# Altium PCB ADC130MSPS-V1-01.PcbDoc (part 1 of 7) (continued)
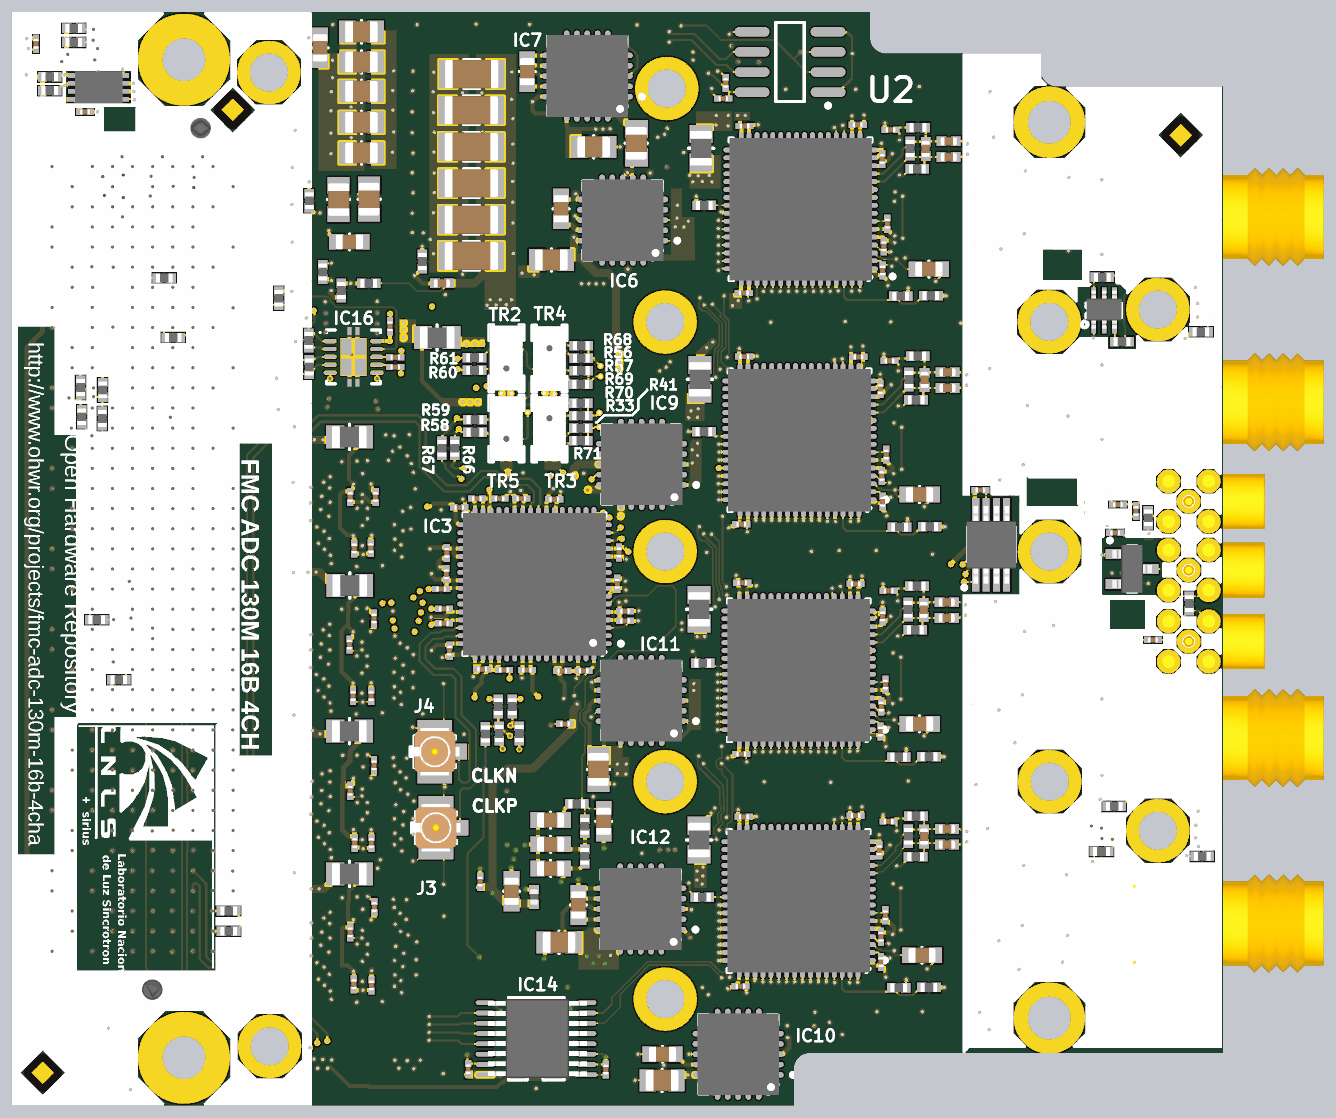
[diagram p15: 3D render of the assembled board from below, using the file's embedded part models]

## Layer stack, top to bottom
Top Layer: signal copper 1.378
Dielectric: core 3.937, FR-4, Dk 4.8
GND1: plane copper 1.378, net GND
Dielectric: prepreg 4.3307, FR-4, Dk 4.8
L3: signal copper 1.378
Dielectric: core 11.811, FR-4, Dk 4.8
GND2: plane copper (thickness not stored), net GND
Dielectric: prepreg 3.937, FR-4, Dk 4.8
L5: signal copper 1.378
Dielectric: core 11.811, FR-4, Dk 4.8
GND3: plane copper 1.378, net GND
Dielectric: prepreg 4.3307, FR-4, Dk 4.8
POWER: plane copper 0.689, net (Multiple Nets)
Dielectric: core 3.937, FR-4, Dk 4.8
Bottom Layer: signal copper 1.378

## Board outline
-1711.5,-1164.97 -1711.5,1236.6 -1298.11,1236.6 ccw(c-1298.11,1275.97) -1258.74,1275.97 -1258.74,1319.28 -872.91,1319.28 ccw(c-872.91,1358.65) -833.54,1358.65 -833.54,1421.64 1300.32,1421.64 1300.32,-1294.9 -644.57,-1294.9 -644.57,-1204.35 ccw(c-683.94,-1204.35) -683.94,-1164.98 -683.94,-1164.97

## Design rules (kind name [scope] priority, off if disabled: settings)
Clearance Clearance_1 [InNet('EXT_CLK_IN') vs InNetClass('Power')] p1 off: gap=10
Clearance Clearance_trou [InNetClass('ADC_data') vs InNetClass('ADC_data')] p2 off: gap=4
Clearance [All] p3: gap=3
ComponentClearance NO_DRC [InComponentClass('NO_DRC')] p1 off: gap=0 collisioncheckmode=3 verticalgap=100000 showdistances=FALSE
ComponentClearance [All] p2 off: gap=1 collisioncheckmode=3 verticalgap=100000 showdistances=FALSE
DiffPairsRouting [All] p1: maxlimit=12 minlimit=8 mostfreqgap=10 maxuncoupledlength=600
FabricationTestPointUsage TestPointUsage [All] p1: valid=0 allowmultiple=FALSE
FabricationTestpoint Testpoint [All] p1: side=3 testpointundercomponent=TRUE minsize=40 maxsize=100 preferedsize=60 minholesize=0 maxholesize=40 preferedholesize=32 testpointgrid=1 allowsidetop=TRUE allowsidebottom=TRUE usegrid=TRUE gridtolerance=0.01
Height Height_Top [OnTop] p1 off: minheight=0 maxheight=370 prefheight=350
Height Height_Bot [OnBottom] p2 off: minheight=0 maxheight=58 prefheight=52
HoleSize [All] p1: absolutevalues=TRUE maxlimit=1000 minlimit=1 maxpercent=80.000 minpercent=20.000
HoleToHoleClearance [All] p1: gap=5 allowstackedmicrovias=TRUE
MinimumSolderMaskSliver [All] p1 off: minsoldermaskwidth=1
PlaneClearance [All] p1: clearance=8
PlaneConnect Vias_Plane [IsVia] p1: planeconnectstyle=Direct reliefexpansion=20 reliefentries=4 reliefconductorwidth=10 reliefairgap=10
PlaneConnect [All] p2: planeconnectstyle=Direct reliefexpansion=20 reliefentries=4 reliefconductorwidth=30 reliefairgap=10
PolygonConnect Direc [InPadClass(Direc)] p1: connectstyle=Direct reliefconductorwidth=10 reliefentries=4 polygonreliefangle="90 Angle" airgapwidth=10
PolygonConnect Vias [IsVia] p2: connectstyle=Direct reliefconductorwidth=10 reliefentries=4 polygonreliefangle="90 Angle" airgapwidth=10
PolygonConnect [All] p3: connectstyle=Direct reliefconductorwidth=16 reliefentries=4 polygonreliefangle="90 Angle" airgapwidth=10
RoomDefinition U_ADC2 [InComponentClass('U_ADC2')] p1 off: confinementstyle=ConfineIn formatcopy=TRUE lockcomponents=FALSE outline -1313.28,94 -283.28,94 -283.28,641 -1313.28,641
RoomDefinition U_ADC1 [InComponentClass('U_ADC1')] p2 off: confinementstyle=ConfineIn formatcopy=TRUE lockcomponents=FALSE outline -1316,668 -286,668 -286,1215 -1316,1215
RoomDefinition U_BUFFER4 [InComponentClass('U_BUFFER4')] p3 off: confinementstyle=ConfineIn formatcopy=TRUE lockcomponents=FALSE outline 311,-1065 573,-1065 573,-666 311,-666
RoomDefinition U_BUFFER3 [InComponentClass('U_BUFFER3')] p4 off: confinementstyle=ConfineIn formatcopy=TRUE lockcomponents=FALSE outline 311,-713 573,-713 573,-314 311,-314
RoomDefinition U_BUFFER2 [InComponentClass('U_BUFFER2')] p5 off: confinementstyle=ConfineIn formatcopy=TRUE lockcomponents=FALSE outline 311,-349 573,-349 573,50 311,50
RoomDefinition U_BUFFER1 [InComponentClass('U_BUFFER1')] p6 off: confinementstyle=ConfineIn formatcopy=TRUE lockcomponents=FALSE outline 311,18 573,18 573,417 311,417
RoomDefinition U_ADC4 [InComponentClass('U_ADC4')] p7 off: confinementstyle=ConfineIn formatcopy=TRUE lockcomponents=FALSE outline -1311.09,-1051 -281.09,-1051 -281.09,-504 -1311.09,-504
RoomDefinition U_ADC3 [InComponentClass('U_ADC3')] p8 off: confinementstyle=ConfineIn formatcopy=TRUE lockcomponents=FALSE outline -1311.2,-477.57 -281.2,-477.57 -281.2,69.43 -1311.2,69.43
RoomDefinition "Trigger and leds" [InComponentClass('Trigger and leds')] p9 off: confinementstyle=ConfineIn formatcopy=TRUE lockcomponents=FALSE outline -952,1095 -278,1095 -278,1411 -952,1411
RoomDefinition PS [InComponentClass('PS')] p10 off: confinementstyle=ConfineIn formatcopy=TRUE lockcomponents=FALSE outline -564,-1306 164,-1306 164,1429 -564,1429
RoomDefinition J1 [InComponentClass('J1')] p11 off: confinementstyle=ConfineIn formatcopy=TRUE lockcomponents=FALSE outline 1344.21,1166.81 641,1166.81 641,-1037 1344.21,-1037
RoomDefinition FMC_130MSPS_4CH [InComponentClass('FMC_130MSPS_4CH')] p12 off: confinementstyle=ConfineIn formatcopy=TRUE lockcomponents=FALSE outline 475,868 1275,868 1275,1399 475,1399
RoomDefinition EEPROM [InComponentClass('EEPROM')] p13 off: confinementstyle=ConfineIn formatcopy=TRUE lockcomponents=FALSE outline 803,1411 1347,1411 1347,-1235 803,-1235
RoomDefinition ClK [InComponentClass('ClK')] p14 off: confinementstyle=ConfineIn formatcopy=TRUE lockcomponents=FALSE outline -379.99,-1266.46 302,-1266.46 302,730 -379.99,730
RoutingVias [All] p1: holewidth=7.87 width=15.75 viastyle="Through Hole" minholewidth=7.87 minwidth=15.75 maxholewidth=118.11 maxwidth=196.85
ShortCircuit SMA_1 [InPadClass('SMA')] p2: allowed=TRUE
SilkToSilkClearance [All] p1 off: silktosilkclearance=2
SilkscreenOverComponentPads [All] p1 off: minsilkscreentomaskgap=2
SolderMaskExpansion [All] p1: expansion=4
ViasUnderSMD ViasUnderSMD_allow [InComponent('IC1A')   or InComponent('IC1B') or        InComponent('IC1C')   or InComponent('IC1D') or InComponent('IC6')   or InComponent('IC7') or InComponent('IC9')   or InComponent('IC10') or InComponent('IC11')   or InComponent('IC12') or InComponent('IC15A')     or InComponent('IC15B') or InComponent('IC15C') or InComponent('IC15D')  or InComponent('IC16')  or InComponent('IC3')] p1: allowed=TRUE
ViasUnderSMD [All] p2: allowed=FALSE
Width Width_1 [InNetClass('Buff_data')] p1 off: maxlimit=6.39 minlimit=3.74 preferedwidth=5.3 toplayer_minwidth=4.37 midlayer1_maxwidth=6.14 midlayer1_prefwidth=4.83 midlayer2_minwidth=3.86 midlayer2_maxwidth=6.32 midlayer2_prefwidth=4.98 bottomlayer_minwidth=4.37 minimp=45.000000 maximp=55.000000 favimp=50.000000
Width Width_3 [(InNet('RF1') OR InNet('RF2') OR InNet('RF3') OR InNet('RF4') OR InNet('RF5') OR InNet('RF6') OR InNet('RF7') OR InNet('EXT_CLK_IN'))] p2 off: maxlimit=5.72 minlimit=4.15 preferedwidth=5.3 toplayer_minwidth=4.73 midlayer1_maxwidth=5.33 midlayer1_prefwidth=4.83 midlayer2_minwidth=4.29 midlayer2_maxwidth=5.49 midlayer2_prefwidth=4.98 bottomlayer_minwidth=4.73 minimp=48.000000 maximp=53.000000 favimp=50.000000
Width Width_Pair_Diff [(InDifferentialPairClass('All Differential Pairs'))] p3 off: maxlimit=5.72 minlimit=3.74 preferedwidth=5.3 toplayer_minwidth=4.37 midlayer1_maxwidth=5.33 midlayer1_prefwidth=4.83 midlayer2_minwidth=3.86 midlayer2_maxwidth=5.49 midlayer2_prefwidth=4.98 bottomlayer_minwidth=4.37 minimp=48.000000 maximp=55.000000 favimp=50.000000
Width [All] p4: maxlimit=100 minlimit=3.5 preferedwidth=10 toplayer_maxwidth=20 midlayer2_maxwidth=20 minimp=45.000000 maximp=110.000000 favimp=100.000000 checkconnectedcopper=TRUE
16 further rules are at their usual default settings.

## Classes and differential pairs
net class Power: GND P3V3_ADC1 P3V3_ADC2 P3V3_ADC3 P3V3_ADC4 P3V3_CLK
channel class ADC: U_ADC1 U_ADC2 U_ADC3 U_ADC4
component class U_ADC4: C1D C2D C3D C4D C5D C6D C7D C8D C9D C11D C12D C13D C14D C15D C16D C17D C18D C19D C20D C25D C26D IC1D L1D L2D L4D R1D R2D R3D R6D R8D R9D R10D R11D R13D R14D R15D R16D R17D R18D TR1D
component class U_ADC3: C1C C2C C3C C4C C5C C6C C7C C8C C9C C11C C12C C13C C14C C15C C16C C17C C18C C19C C20C C25C C26C IC1C L1C L2C L4C R1C R2C R3C R6C R8C R9C R10C R11C R13C R14C R15C R16C R17C R18C TR1C
component class U_ADC2: C1B C2B C3B C4B C5B C6B C7B C8B C9B C11B C12B C13B C14B C15B C16B C17B C18B C19B C20B C25B C26B IC1B L1B L2B L4B R1B R2B R3B R6B R8B R9B R10B R11B R13B R14B R15B R16B R17B R18B TR1B
component class U_ADC1: C1A C2A C3A C4A C5A C6A C7A C8A C9A C11A C12A C13A C14A C15A C16A C17A C18A C19A C20A C25A C26A IC1A L1A L2A L4A R1A R2A R3A R6A R8A R9A R10A R11A R13A R14A R15A R16A R17A R18A TR1A
component class "Trigger and leds": C103 C104 D1 LD2 Q5 R28 R84 R85 R87 R88 U2
component class PS: C27 C28 C29 C30 C32 C33 C34 C35 C36 C38 C44 C51 C52 C73 C75 C76 C77 C78 C79 C80 C81 C82 C84 C85 C86 C88 C91 C92 C93 C94 C95 C96 C97 C98 C99 C100 C101 C102 IC6 IC7 IC8 IC9 IC10 IC11 IC12 L3 L6 L7 L9 L10 L12 L13 L15 R78 R79 R80 R81 R82 R83
component class FMC_130MSPS_4CH: B5 B6 B7 B8 B9 B10 B11 B12 B13 B14 B15 B16 C37 C39 IC14 J1 J5 J6 J7 J8
component class EEPROM: C31 C41 C74 FTG1 FTG2 FTG3 FTG4 FTG5 FTG6 IC2 IC5 IC13 LD1 Q1 Q2 R4 R5 R12 R32 R35 R37 R39 R42 R43 R44 R64 R65
component class ClK: C8 C10 C40 C42 C43 C45 C46 C47 C48 C49 C50 C53 C54 C55 C56 C57 C58 C59 C60 C61 C62 C63 C64 C65 C66 C67 C68 C69 C70 C71 C72 C105 C106 C107 C108 C109 C110 IC3 IC4 IC16 J2 J3 J4 J10 L5 L8 OSC1 OSC2 R7 R19 R20 R21 R22 R24 R25 R26 R29 R30 R31 R33 R34 R36 R38 R40 R41 R45 R46 R47 R48 R49 R50 R51 R52 R53 R54 R55 R56 R57 R58 R59 R60 R61 R62 R63 R66 R67 R68 R69 R70 R71 R72 R73 TR2 TR3 TR4 TR5 TR6
component class J1: B1 B2 B3 B4 J9 R23 R27 R74
pad class SMA: J6-2 J7-2
pad class Direc: B1-1 B2-1 B3-1 B4-1 J3-37 J3-38
net class ADC_data: CH1.CLKOUTA CH1.DA0 CH1.DA1 CH1.DA2 CH1.DA3 CH1.DA4 CH1.DA5 CH1.DA6 CH1.DA7 CH1.DA8 CH1.DA9 CH1.DA10 CH1.DA11 CH1.DA12 CH1.DA13 CH1.DA14 CH1.DA15 CH1.OF_A CH2.CLKOUTA CH2.DA0 CH2.DA1 CH2.DA2 CH2.DA3 CH2.DA4 CH2.DA5 CH2.DA6 CH2.DA7 CH2.DA8 CH2.DA9 CH2.DA10 CH2.DA11 CH2.DA12 CH2.DA13 CH2.DA14 CH2.DA15 CH2.OF_A CH3.CLKOUTA CH3.DA0 CH3.DA1 CH3.DA2 CH3.DA3 CH3.DA4 CH3.DA5 CH3.DA6 CH3.DA7 CH3.DA8 CH3.DA9 CH3.DA10 CH3.DA11 CH3.DA12 CH3.DA13 CH3.DA14 CH3.DA15 CH3.OF_A CH4.CLKOUTA CH4.DA0 CH4.DA1 CH4.DA2 CH4.DA3 CH4.DA4 CH4.DA5 CH4.DA6 CH4.DA7 CH4.DA8 CH4.DA9 CH4.DA10 CH4.DA11 CH4.DA12 CH4.DA13 CH4.DA14 CH4.DA15 CH4.OF_A
component class U_BUFFER1: C21A C22A C23A C24A IC15A L14A
component class U_BUFFER2: C21B C22B C23B C24B IC15B L14B
component class U_BUFFER3: C21C C22C C23C C24C IC15C L14C
component class U_BUFFER4: C21D C22D C23D C24D IC15D L14D
net class CH1: CH1.CLKOUTA CH1.DA0 CH1.DA1 CH1.DA2 CH1.DA3 CH1.DA4 CH1.DA5 CH1.DA6 CH1.DA7 CH1.DA8 CH1.DA9 CH1.DA10 CH1.DA11 CH1.DA12 CH1.DA13 CH1.DA14 CH1.DA15 CH1.OF_A
net class CH2: CH2.CLKOUTA CH2.DA0 CH2.DA1 CH2.DA2 CH2.DA3 CH2.DA4 CH2.DA5 CH2.DA6 CH2.DA7 CH2.DA8 CH2.DA9 CH2.DA10 CH2.DA11 CH2.DA12 CH2.DA13 CH2.DA14 CH2.DA15 CH2.OF_A
net class CH3: CH3.CLKOUTA CH3.DA0 CH3.DA1 CH3.DA2 CH3.DA3 CH3.DA4 CH3.DA5 CH3.DA6 CH3.DA7 CH3.DA8 CH3.DA9 CH3.DA10 CH3.DA11 CH3.DA12 CH3.DA13 CH3.DA14 CH3.DA15 CH3.OF_A
net class CH4: CH4.CLKOUTA CH4.DA0 CH4.DA1 CH4.DA2 CH4.DA3 CH4.DA4 CH4.DA5 CH4.DA6 CH4.DA7 CH4.DA8 CH4.DA9 CH4.DA10 CH4.DA11 CH4.DA12 CH4.DA13 CH4.DA14 CH4.DA15 CH4.OF_A
channel class BUFFER: U_BUFFER1 U_BUFFER2 U_BUFFER3 U_BUFFER4
net class Buff_data: B_CLKOUTAA B_CLKOUTAB B_CLKOUTAC B_CLKOUTAD B_DA0A B_DA0B B_DA0C B_DA0D B_DA1A B_DA1B B_DA1C B_DA1D B_DA2A B_DA2B B_DA2C B_DA2D B_DA3A B_DA3B B_DA3C B_DA3D B_DA4A B_DA4B B_DA4C B_DA4D B_DA5A B_DA5B B_DA5C B_DA5D B_DA6A B_DA6B B_DA6C B_DA6D B_DA7A B_DA7B B_DA7C B_DA7D B_DA8A B_DA8B B_DA8C B_DA8D B_DA9A B_DA9B B_DA9C B_DA9D B_DA10A B_DA10B B_DA10C B_DA10D B_DA11A B_DA11B B_DA11C B_DA11D B_DA12A B_DA12B B_DA12C B_DA12D B_DA13A B_DA13B B_DA13C B_DA13D B_DA14A B_DA14B B_DA14C B_DA14D B_DA15A B_DA15B B_DA15C B_DA15D B_OVFL_AA B_OVFL_AB B_OVFL_AC B_OVFL_AD
differential pair REFIN_C: +REFIN_C_P -REFIN_C_N
differential pair PASSIVE4_CLK: +PASSIVE4_CLK_P -PASSIVE4_CLK_N
differential pair PASSIVE3_CLK: +PASSIVE3_CLK_P -PASSIVE3_CLK_N
differential pair PASSIVE2_CLK: +PASSIVE2_CLK_P -PASSIVE2_CLK_N
differential pair PASSIVE1_CLK: +PASSIVE1_CLK_P -PASSIVE1_CLK_N
differential pair ACTIVE4_CLK: +ACTIVE3_CLK_P -ACTIVE3_CLK_N
differential pair ACTIVE3_CLK: +ACTIVE4_CLK_P -ACTIVE4_CLK_N
differential pair ACTIVE2_CLK: +ACTIVE2_CLK_P -ACTIVE2_CLK_N
differential pair ACTIVE1_CLK: +ACTIVE1_CLK_P -ACTIVE1_CLK_N
differential pair LA32: +LA32_P -LA32_N
differential pair CLK3_BIDIR: +CLK3_BIDIR_P -CLK3_BIDIR_N
differential pair RF_AUX: +RF_AUX_P -RF_AUX_N
differential pair EXT_CLK1: +EXT_CLK1_P -EXT_CLK1_N
differential pair CLK0_M2C: +CLK0_M2C_P -CLK0_M2C_N
differential pair REF: +REF_P -REF_N
differential pair REFIN: +REFIN_P -REFIN_N
differential pair ADC1_CLKA: +ADC1_CLKA_P -ADC1_CLKA_N
differential pair ADC1_CLKB: +ADC1_CLKB_P -ADC1_CLKB_N
differential pair ADC1_CLKC: +ADC1_CLKC_P -ADC1_CLKC_N
differential pair ADC1_CLKD: +ADC1_CLKD_P -ADC1_CLKD_N
differential pair FMC_REFCLK: +FMC_REFCLK_P -FMC_REFCLK_N
differential pair VCXO_OUT: +VCXO_OUT_P -VCXO_OUT_N
differential pair ADC1_CLK: +ADC2_CLK_P -ADC2_CLK_N
differential pair ADC2_CLK: +ADC1_CLK_P -ADC1_CLK_N
differential pair ADC3_CLK: +ADC4_CLK_P -ADC4_CLK_N
differential pair ADC4_CLK: +ADC3_CLK_P -ADC3_CLK_N

## Components (designator, comment, footprint, x,y, rotation, side; value= is the part's Value field where it differs from the comment)
B1 "Plated Hole" MTG300_600#1 871.18,1303.53 r0 top
B2 "Plated Hole" MTG300_600#2 -1279.41,1148.19 r0 top
B3 "Plated Hole" MTG300_600#3 -1279.41,-1078.19 r0 top
B4 "Plated Hole" MTG300_600#1 871.18,-1176.79 r0 top
B5 "Plated Hole" MTG240_400#1 -1279.31,652.13 r0 top
B6 "Plated Hole" MTG240_400#1 -328.62,1231.85 r0 top locked
B7 "Plated Hole" MTG240_400#1 -324.68,-1030.94 r0 top
B8 "Plated Hole" MTG240_400#2 -1280.39,-486.65 r0 top
B9 "Plated Hole" MTG240_400#2 660.24,1275.67 r0 top
B10 "Plated Hole" MTG240_400#2 -324.68,85.2 r0 top
B11 "Plated Hole" MTG240_400#1 658.24,-1148.33 r0 top
B12 "Plated Hole" MTG240_400#3 -1549.09,-616.57 r0 top
B13 "Plated Hole" MTG240_400#2 -1549.09,686.57 r0 top
B14 "Plated Hole" MTG240_400#2 -1279.58,85.2 r0 top locked
B15 "Plated Hole" MTG240_400#1 -324.68,651.46 r0 top
B16 "Plated Hole" MTG240_400#1 -324.68,-490.54 r0 top
C1A "100nF" CAPC0603X33N -978,995 r0 top (schematic designator C1)
C1B "100nF" CAPC0603X33N -975.28,421 r0 top (schematic designator C1)
C1C "100nF" CAPC0603X33N -973.2,-150.57 r0 top (schematic designator C1)
C1D "100nF" CAPC0603X33N -973.09,-724 r0 top (schematic designator C1)
C2A "100nF" CAPC0603X33N -1205,925 r0 top (schematic designator C2)
C2B "100nF" CAPC0603X33N -1202.28,351 r0 top (schematic designator C2)
C2C "100nF" CAPC0603X33N -1200.2,-220.57 r0 top (schematic designator C2)
C2D "100nF" CAPC0603X33N -1200.09,-794 r0 top (schematic designator C2)
C3A "2.2pF" CAPC1005X55N -853,980 r0 top (schematic designator C3)
C3B "2.2pF" CAPC1005X55N -850.28,406 r0 top (schematic designator C3)
C3C "2.2pF" CAPC1005X55N -848.2,-165.57 r0 top (schematic designator C3)
C3D "2.2pF" CAPC1005X55N -848.09,-739 r0 top (schematic designator C3)
C4A "100nF" CAPC0603X33N -919,994.73 r0 top (schematic designator C4)
C4B "100nF" CAPC0603X33N -916.28,420.73 r0 top (schematic designator C4)
C4C "100nF" CAPC0603X33N -914.2,-150.84 r0 top (schematic designator C4)
C4D "100nF" CAPC0603X33N -914.09,-724.27 r0 top (schematic designator C4)
C5A "1.5pF" CAPC1005X55N -907,911 r90 top (schematic designator C5)
C5B "1.5pF" CAPC1005X55N -904.28,337 r90 top (schematic designator C5)
C5C "1.5pF" CAPC1005X55N -902.2,-234.57 r90 top (schematic designator C5)
C5D "1.5pF" CAPC1005X55N -902.09,-808 r90 top (schematic designator C5)
C6A "2.2pF" CAPC1005X55N -1234,849 r180 top (schematic designator C6)
C6B "2.2pF" CAPC1005X55N -1231.28,275 r180 top (schematic designator C6)
C6C "2.2pF" CAPC1005X55N -1229.2,-296.57 r180 top (schematic designator C6)
C6D "2.2pF" CAPC1005X55N -1229.09,-870 r180 top (schematic designator C6)
C7A "2.2pF" CAPC1005X55N -853,866 r0 top (schematic designator C7)
C7B "2.2pF" CAPC1005X55N -850.28,292 r0 top (schematic designator C7)
C7C "2.2pF" CAPC1005X55N -848,-280 r0 top (schematic designator C7)
C7D "2.2pF" CAPC1005X55N -848.09,-853 r0 top (schematic designator C7)
C8A "100nF" CAPC0603X33N -984,828 r0 top (schematic designator C8)
C8B "100nF" CAPC0603X33N -976.28,254 r0 top (schematic designator C8)
C8C "100nF" CAPC0603X33N -974.2,-317.57 r0 top (schematic designator C8)
C8D "100nF" CAPC0603X33N -974.09,-891 r0 top (schematic designator C8)
C9A "100pF" CAPC1005X55N -1029.19,1062 r0 bottom (schematic designator C9)
C9B "100pF" CAPC1005X55N -1026.47,488 r0 bottom (schematic designator C9)
C9C "100pF" CAPC1005X55N -1024.39,-83.57 r0 bottom (schematic designator C9)
C9D "100pF" CAPC1005X55N -1025.28,-647 r0 bottom (schematic designator C9)
C10 "100nF" CAPC0603X33N 135,-739 r90 bottom
C11A "100pF" CAPC1005X55N -1029.19,1101 r0 bottom (schematic designator C11)
C11B "100pF" CAPC1005X55N -1026.47,527 r0 bottom (schematic designator C11)
C11C "100pF" CAPC1005X55N -1024.39,-44.57 r0 bottom (schematic designator C11)
C11D "100pF" CAPC1005X55N -1025.28,-608 r0 bottom (schematic designator C11)
C12A "2.2uF" CAPC1608X87N -980,783 r0 bottom (schematic designator C12)
C12B "2.2uF" CAPC1608X87N -957,223 r0 bottom (schematic designator C12)
C12C "2.2uF" CAPC1608X87N -957,-347 r0 bottom (schematic designator C12)
C12D "2.2uF" CAPC1608X87N -963,-922 r0 bottom (schematic designator C12)
C13A "1.5pF" CAPC1005X55N -972.19,1082 r270 bottom (schematic designator C13)
C13B "1.5pF" CAPC1005X55N -969.47,508 r270 bottom (schematic designator C13)
C13C "1.5pF" CAPC1005X55N -967.39,-63.57 r270 bottom (schematic designator C13)
C13D "1.5pF" CAPC1005X55N -968.28,-627 r270 bottom (schematic designator C13)
C14A "100nF" CAPC0603X33N -865,780 r270 bottom (schematic designator C14)
C14B "100nF" CAPC0603X33N -865,205 r270 bottom (schematic designator C14)
C14C "100nF" CAPC0603X33N -860,-366 r270 bottom (schematic designator C14)
C14D "100nF" CAPC0603X33N -861,-939 r270 bottom (schematic designator C14)
C15A "100nF" CAPC0603X33N -803,1142 r180 bottom (schematic designator C15)
C15B "100nF" CAPC0603X33N -805,565 r180 bottom (schematic designator C15)
C15C "100nF" CAPC0603X33N -798,1 r180 bottom (schematic designator C15)
C15D "100nF" CAPC0603X33N -798,-575 r180 bottom (schematic designator C15)
C16A "100nF" CAPC0603X33N -863.95,1057 r90 bottom (schematic designator C16)
C16B "100nF" CAPC0603X33N -860,485 r90 bottom (schematic designator C16)
C16C "100nF" CAPC0603X33N -865,-80 r90 bottom (schematic designator C16)
C16D "100nF" CAPC0603X33N -857,-661 r90 bottom (schematic designator C16)
C17A "100nF" CAPC0603X33N -876.87,896.17 r270 bottom (schematic designator C17)
C17B "100nF" CAPC0603X33N -874.16,322.17 r270 bottom (schematic designator C17)
C17C "100nF" CAPC0603X33N -872.08,-249.41 r270 bottom (schematic designator C17)
C17D "100nF" CAPC0603X33N -871.97,-822.83 r270 bottom (schematic designator C17)
C18A "100nF" CAPC0603X33N -868,840 r90 bottom (schematic designator C18)
C18B "100nF" CAPC0603X33N -863,269 r90 bottom (schematic designator C18)
C18C "100nF" CAPC0603X33N -862,-304 r90 bottom (schematic designator C18)
C18D "100nF" CAPC0603X33N -861,-876 r90 bottom (schematic designator C18)
C19A "100nF" CAPC0603X33N -520,724 r0 bottom (schematic designator C19)
C19B "100nF" CAPC0603X33N -514,149 r0 bottom (schematic designator C19)
C19C "100nF" CAPC0603X33N -514,-422 r0 bottom (schematic designator C19)
C19D "100nF" CAPC0603X33N -512,-999 r0 bottom (schematic designator C19)
C20A "100nF" CAPC0603X33N -522,1139 r0 bottom (schematic designator C20)
C20B "100nF" CAPC0603X33N -521,566 r0 bottom (schematic designator C20)
C20C "100nF" CAPC0603X33N -516.08,3.87 r0 bottom (schematic designator C20)
C20D "100nF" CAPC0603X33N -520,-578 r0 bottom (schematic designator C20)
C21A "100nF" CAPC0603X33N 407,90 r90 bottom (schematic designator C21)
C21B "100nF" CAPC0603X33N 406,-278 r90 bottom (schematic designator C21)
C21C "100nF" CAPC0603X33N 405,-643 r90 bottom (schematic designator C21)
C21D "100nF" CAPC0603X33N 405,-997 r90 bottom (schematic designator C21)
C22A "100nF" CAPC0603X33N 395,217 r90 bottom (schematic designator C22)
C22B "100nF" CAPC0603X33N 399,-85 r270 bottom (schematic designator C22)
C22C "100nF" CAPC0603X33N 399,-450 r270 bottom (schematic designator C22)
C22D "100nF" CAPC0603X33N 398,-802 r270 bottom (schematic designator C22)
C23A "100nF" CAPC0603X33N 448,89 r90 bottom (schematic designator C23)
C23B "100nF" CAPC0603X33N 451,-278 r90 bottom (schematic designator C23)
C23C "100nF" CAPC0603X33N 447,-643 r90 bottom (schematic designator C23)
C23D "100nF" CAPC0603X33N 449,-994 r90 bottom (schematic designator C23)
C24A "100nF" CAPC0603X33N 458,217 r90 bottom (schematic designator C24)
C24B "100nF" CAPC0603X33N 460,-150 r90 bottom (schematic designator C24)
C24C "100nF" CAPC0603X33N 458,-513 r90 bottom (schematic designator C24)
C24D "100nF" CAPC0603X33N 458,-865 r90 bottom (schematic designator C24)
C25A "100nF" CAPC0603X33N -884.87,1129.45 r180 bottom (schematic designator C25)
C25B "100nF" CAPC0603X33N -882.16,555.45 r180 bottom (schematic designator C25)
C25C "100nF" CAPC0603X33N -880.08,-16.13 r180 bottom (schematic designator C25)
C25D "100nF" CAPC0603X33N -879.97,-589.55 r180 bottom (schematic designator C25)
C26A "100nF" CAPC0603X33N -926,828 r0 top (schematic designator C26)
C26B "100nF" CAPC0603X33N -919.28,254 r0 top (schematic designator C26)
C26C "100nF" CAPC0603X33N -917.2,-317.57 r0 top (schematic designator C26)
C26D "100nF" CAPC0603X33N -917.09,-891 r0 top (schematic designator C26)
C27 "22uF" CAPC3216X140N 157,997 r0 bottom
C28 "10uF" CAPC2012X135N 430,1373 r180 bottom
C29 "10uF" CAPC2012X135N 487,956 r90 bottom
C30 "330nF" CAPC1608X87N 533,1333 r270 bottom
C31 "100nF" CAPC0603X33N 1117,1174 r180 bottom
C32 "22uF" CAPC3216X140N 157,1087 r0 bottom
C33 "22uF" CAPC3216X140N 157,906 r0 bottom
C34 "22uF" CAPC3216X140N 157,816 r0 bottom
C35 "100uF" CAPMP7343X310N 454,543 r270 top
C36 "10uF" CAPC2012X135N 430,1148 r180 bottom
C37 "100nF" CAPC0603X33N -177,-1206 r270 bottom
C38 "10uF" CAPC2012X135N 430,1298 r0 bottom
C39 "100nF" CAPC0603X33N 165,-1205 r270 bottom
C40 "100nF" CAPC0603X33N -1450,198.19 r180 bottom
C41 "100nF" CAPC0603X33N -1108,234 r180 bottom
C42 "100nF" CAPC0603X33N -1495,182.19 r90 bottom
C43 "100nF" CAPC0603X33N -1443,128 r180 bottom
C44 "100nF" CAPC0603X33N 157,1345 r180 top
C45 "100nF" CAPC0603X33N -155.81,-10 r270 top
C46 "100nF" CAPC0603X33N -127.81,-10 r270 top
C47 "100nF" CAPC0603X33N 346,540 r0 bottom
C48 "100nF" CAPC0603X33N -1537,-138 r180 bottom